# Altium PCB Layout.PcbDoc (part 3 of 4) (continued)
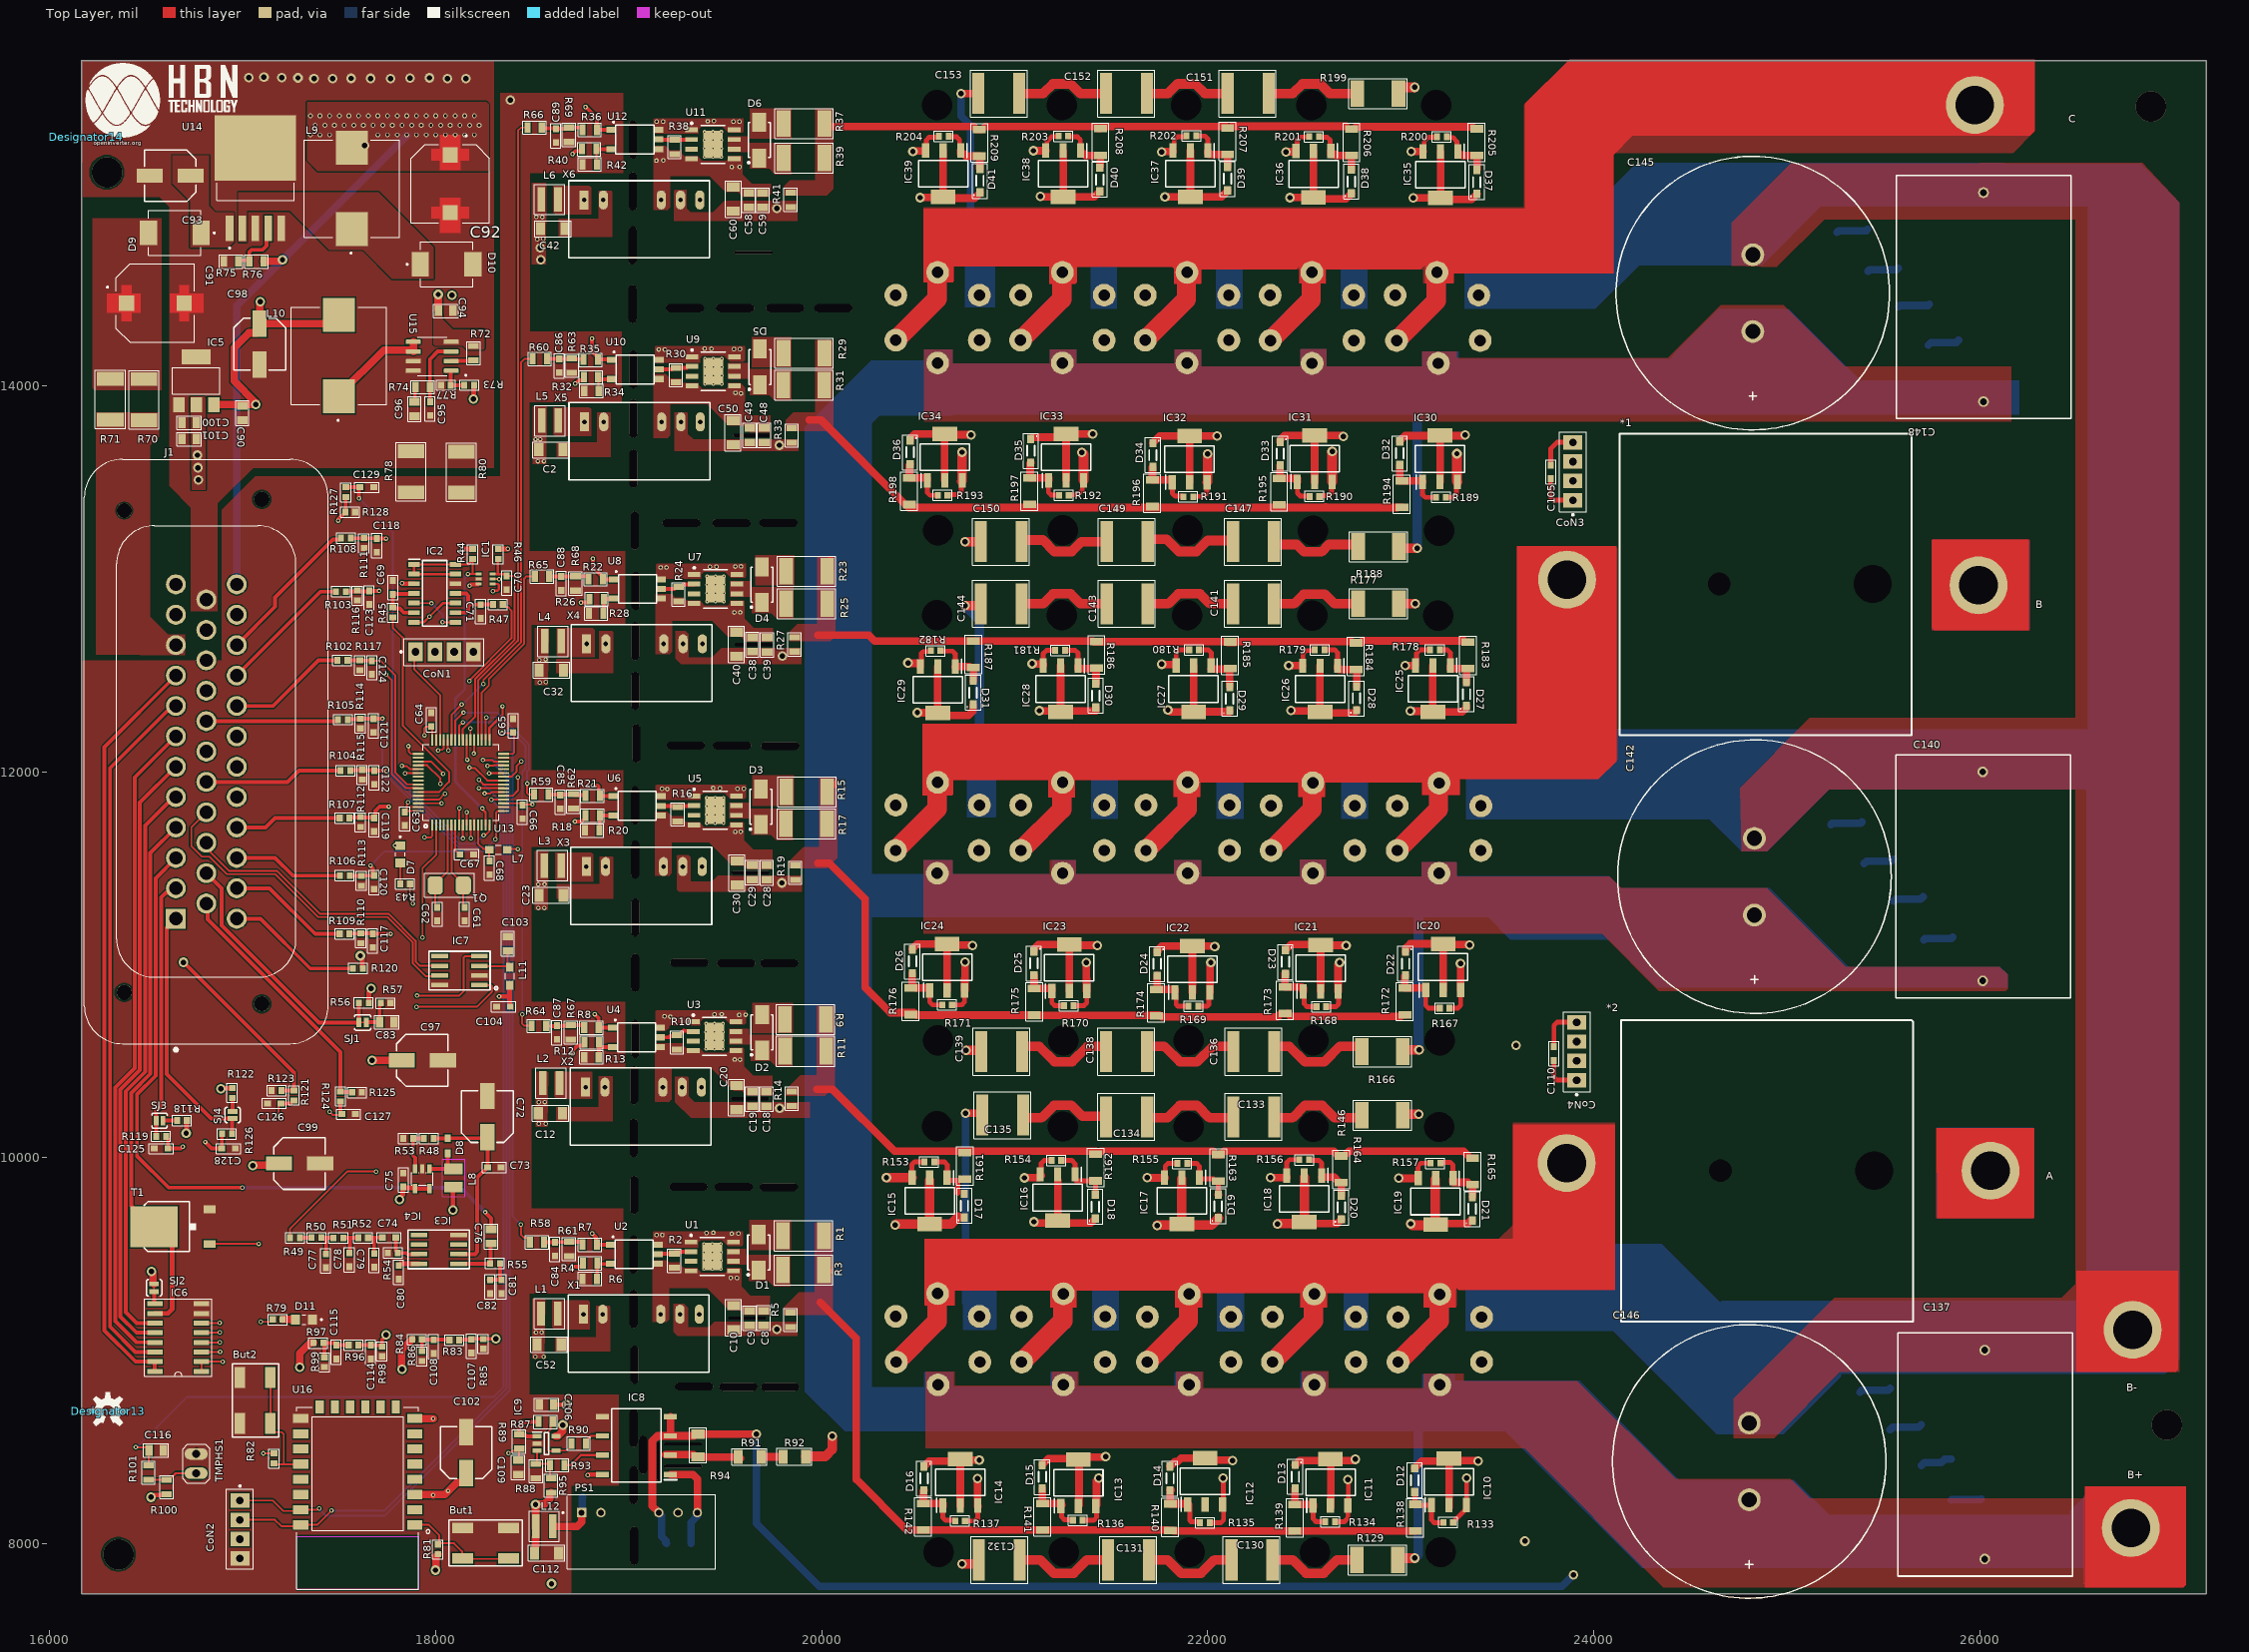
[diagram p0: Top Layer view]
## Nets (pads, with @x,y where several pads share a name; then routed paths per layer and width w, separated by ;. In a path a pad name is that pad's centre, name@x,y a point inside that pad or via, vN(x,y) a via of type N, cw(c..) or ccw(c..) an arc to the next point about the centre after c; other vN are vias at no path point) (continued)
NetD28_a: D28.a IC26.1 R179.1 R184.2 | length 347.5
  Top Layer w25: R179.1@22605.4,12632.51 22657.38,12632.51 22672.03,12617.86 IC26.1@22672.03,12549.57
  Top Layer w39.37: IC26.1@22672.03,12549.57 22672.03,12532.84 22675.61,12529.26 22769.67,12529.26 22771.2,12529.26 D28.a@22771.2,12442.55 22771.2,12441.57 D28.a@22772.18,12440.58
NetD28_k: D28.k IC26.2 IC26.4 Q18.1 | length 1114.5
  Top Layer w39.37: v1(22431.29,12317.28) 22433.32,12315.25 22575.64,12315.25 22581.48,12321.08 IC26.2@22581.48,12549.57 ; IC26.4@22581.48,12309.41 22585.13,12305.76 22758.42,12305.76 22771.2,12318.54 D28.k@22771.2,12319.52
  Mid 1 w39.37: Q18.1@22327.8,11825.06 22327.8,12213.79 v1(22431.29,12317.28)
NetD29_a: D29.a IC27.1 R180.1 R185.2 | length 345
  Top Layer w25: R180.1@21954.57,12631.63 22003.15,12631.63 22017.79,12616.99 22017.79,12533.92 IC27.1@22016.76,12532.89
  Top Layer w39.37: IC27.1@22016.76,12532.89 22017.79,12531.86 R185.2@22113.59,12531.86 ; D29.a@22113.59,12440.44 R185.2@22113.59,12531.86 ; R185.2@22116.12,12531.86 R185.2@22113.59,12531.86
NetD29_k: D29.k IC27.2 IC27.4 Q19.1 | length 1109.3
  Top Layer w39.37: v1(21793.4,12320.92) 21796.28,12320.92 21807.74,12309.46 IC27.4@21926.21,12309.46 ; IC27.2@21926.21,12549.62 IC27.4@21926.21,12309.46 ; D29.k@22113.59,12317.41 22113.59,12311.44 21928.19,12311.44 IC27.4@21926.21,12309.46
  Mid 1 w39.37: Q19.1@21679.75,11827.68 21679.75,12207.27 v1@21791.37,12318.89
NetD30_a: D30.a IC28.1 R181.1 R186.2 | length 325.9
  Top Layer w25: R181.1@21261.07,12629.07 21313.46,12629.07 21328.11,12614.43 IC28.1@21328.11,12549.62
  Top Layer w39.37: IC28.1@21328.11,12549.62 21328.11,12535.43 21329.09,12534.45 21421.05,12534.45 21421.05,12457.78 D30.a@21420.06,12456.79 21420.06,12455.81 D30.a@21421.05,12454.82
NetD30_k: D30.k IC28.2 IC28.4 Q20.1 | length 1083.1
  Top Layer w39.37: v1(21127.65,12316.91) 21129.68,12314.88 21232.14,12314.88 IC28.4@21237.56,12309.46 ; IC28.2@21237.56,12549.62 IC28.4@21237.56,12309.46 ; D30.k@21420.06,12333.76 21420.06,12314.81 21242.9,12314.81 IC28.4@21237.56,12309.46
  Mid 1 w39.37: Q20.1@21031.21,11827.68 21031.21,12220.47 v1@21125.62,12314.88
NetD31_a: D31.a IC29.1 R182.1 R187.2 | length 313.4
  Top Layer w25: R182.1@20615.25,12628.13 20617.22,12626.17 20676.64,12626.17 20691.29,12611.52 IC29.1@20691.29,12546.17
  Top Layer w39.37: IC29.1@20691.29,12546.17 20766.21,12546.17 20771.65,12540.73 R187.2@20785.43,12540.73 20785.43,12474.52 20784.33,12473.42 D31.a@20784.33,12472.44
NetD31_k: D31.k IC29.2 IC29.4 Q21.1 | length 1105.3
  Top Layer w39.37: v1(20495.25,12306.84) 20495.66,12306.43 20600.32,12306.43 20600.73,12306.84 IC29.2@20600.73,12546.17 ; IC29.4@20600.73,12306.01 20615,12291.75 20760.29,12291.75 20783.35,12314.81 20783.35,12348.42 D31.k@20784.33,12349.41
  Mid 1 w39.37: Q21.1@20383.62,11827.68 20383.62,12198.1 20492.37,12306.84 v1(20495.25,12306.84)
NetD32_a: D32.a IC30.1 R189.1 R194.2 | length 347.2
  Top Layer w25: IC30.1@23112.6,13501.59 23112.6,13436.57 23127.25,13421.93 R189.1@23182.76,13421.93
  Top Layer w39.37: D32.a@22993.97,13589.49 22993.97,13507.77 R194.2@23006.45,13507.77 23111.62,13507.77 23112.6,13506.78 IC30.1@23112.6,13501.59
NetD32_k: D32.k IC30.2 IC30.4 Q22.1 | length 1115.4
  Top Layer w39.37: D32.k@22993.97,13712.53 22993.97,13713.51 23022.21,13741.75 IC30.4@23203.15,13741.75 ; IC30.2@23203.15,13501.59 IC30.4@23203.15,13741.75 ; v1(23333.28,13745.13) 23330.41,13745.13 23327.03,13741.75 IC30.4@23203.15,13741.75
  Mid 1 w39.37: v1(23333.28,13745.13) 23411.09,13822.93 Q22.1@23411.09,14234.76
NetD33_a: D33.a IC31.1 R190.1 R195.2 | length 305.6
  Top Layer w25: IC31.1@22463.25,13502.64 22463.97,13501.92 22463.97,13444.23 22478.62,13429.59 22524.59,13429.59 R190.1@22527.11,13427.06
  Top Layer w39.37: R195.2@22370.51,13520.97 R195.2@22373.72,13520.97 ; D33.a@22374.7,13587.1 22373.72,13586.12 R195.2@22373.72,13520.97 ; IC31.1@22463.25,13502.64 22463.25,13519.38 22461.66,13520.97 R195.2@22373.72,13520.97
NetD33_k: D33.k IC31.2 IC31.4 Q23.1 | length 1108
  Top Layer w39.37: D33.k@22374.7,13710.13 22374.7,13719.74 22397.77,13742.8 IC31.4@22553.8,13742.8 ; IC31.2@22553.8,13502.64 IC31.4@22553.8,13742.8 ; v1(22702.23,13738.12) 22699.36,13738.12 22694.67,13742.8 IC31.4@22553.8,13742.8
  Mid 1 w39.37: v1(22702.23,13738.12) 22702.23,13741 22756.86,13795.62 Q23.1@22756.86,14234.76
NetD34_a: D34.a IC32.1 R191.1 R196.2 | length 304
  Top Layer w25: IC32.1@21815.04,13500.56 21816.25,13499.34 21816.25,13442.64 21830.9,13427.99 21869.78,13427.99 R191.1@21873.03,13424.74
  Top Layer w39.37: D34.a@21715.22,13579.79 21715.22,13578.81 21713.14,13576.73 R196.2@21713.14,13512.28 21814.05,13512.28 21815.04,13511.3 IC32.1@21815.04,13500.56
NetD34_k: D34.k IC32.2 IC32.4 Q24.1 | length 1112.2
  Top Layer w39.37: D34.k@21715.22,13702.82 21715.22,13703.81 21728.35,13716.93 21728.35,13717.65 21751.41,13740.72 IC32.4@21905.59,13740.72 ; IC32.2@21905.59,13500.56 IC32.4@21905.59,13740.72 ; v1(22048.33,13739.84) 22047.9,13740.28 21906.02,13740.28 IC32.4@21905.59,13740.72
  Mid 1 w39.37: v1(22048.33,13739.84) 22108.8,13800.31 Q24.1@22108.8,14236.72
NetD35_a: D35.a IC33.1 R192.1 R197.2 | length 309.3
  Top Layer w25: IC33.1@21175.14,13509.68 21174.15,13508.69 21174.15,13449.08 21188.8,13434.44 R192.1@21227.46,13434.44
  Top Layer w39.37: D35.a@21082.81,13602.2 21082.81,13601.21 21079.55,13597.95 21079.55,13523.72 21174.15,13523.72 21175.14,13522.73 IC33.1@21175.14,13509.68
NetD35_k: D35.k IC33.2 IC33.4 Q25.1 | length 1082.7
  Top Layer w39.37: D35.k@21082.81,13725.23 21082.81,13726.21 21090.51,13733.92 21249.77,13733.92 IC33.4@21265.69,13749.84 ; IC33.2@21265.69,13509.68 21265.69,13733.92 IC33.4@21265.69,13749.84 ; v1(21403.21,13750.31) 21402.74,13749.84 IC33.4@21265.69,13749.84
  Mid 1 w39.37: v1(21403.21,13750.31) 21463.07,13810.17 Q25.1@21463.07,14236.72
NetD36_a: D36.a IC34.1 R193.1 R198.2 | length 298
  Top Layer w25: IC34.1@20546.26,13509.68 20546.26,13447.44 20560.9,13432.79 20589.73,13432.79 R193.1@20596,13426.52
  Top Layer w39.37: D36.a@20457.91,13593.38 20457.91,13592.4 20453.75,13588.24 R198.2@20453.75,13522.48 20545.28,13522.48 20546.26,13521.5 IC34.1@20546.26,13509.68
NetD36_k: D36.k IC34.2 IC34.4 Q26.1 | length 1087
  Top Layer w39.37: D36.k@20457.91,13716.41 20457.91,13726.77 20480.97,13749.84 IC34.4@20636.81,13749.84 ; IC34.2@20636.81,13509.68 IC34.4@20636.81,13749.84 ; v1(20772.79,13744.92) 20770.76,13746.95 20639.7,13746.95 IC34.4@20636.81,13749.84
  Mid 1 w39.37: v1(20772.79,13744.92) 20772.79,13747.79 20816.67,13791.68 Q26.1@20816.67,14236.72
NetD37_a: D37.a IC35.1 R200.1 R205.2 | length 310.4
  Top Layer w25: R200.1@23240.16,15295.28 23240.16,15287.35 23241.16,15286.35 23270.15,15286.35 23290.06,15266.44 23290.06,15220.77 IC35.1@23296.26,15214.57
  Top Layer w39.37: IC35.1@23296.26,15214.57 23297.24,15213.58 23297.24,15196.85 23316.77,15196.85 23319.32,15194.3 R205.2@23393.29,15194.3 ; D37.a@23395.21,15120.45 23395.21,15133.37 23396.07,15134.23 R205.2@23396.07,15194.3
NetD37_k: D37.k IC35.2 IC35.4 Q27.1 | length 1129.7
  Top Layer w39.37: v1(23063.76,14974.56) 23063.84,14974.48 23205.64,14974.48 IC35.4@23205.71,14974.41 ; IC35.2@23205.71,15214.57 IC35.4@23205.71,14974.41 ; D37.k@23394.23,14995.45 23394.23,14994.47 23366.17,14966.41 23213.7,14966.41 IC35.4@23205.71,14974.41
  Mid 1 w39.37: Q27.1@22970.6,14470 22970.6,14881.39 v1(23063.76,14974.56)
NetD38_a: D38.a IC36.1 R201.1 R206.2 | length 322.4
  Top Layer w25: R201.1@22576.11,15291.61 22576.11,15290.77 22579.36,15287.52 22619.4,15287.52 22634.04,15272.88 22634.04,15221.88 IC36.1@22638.11,15217.81
  Top Layer w39.37: IC36.1@22638.11,15217.81 22638.11,15201.08 22639.09,15200.09 22655.83,15200.09 22663,15192.91 R206.2@22743.42,15192.91 ; D38.a@22743.42,15119.87 R206.2@22743.42,15192.91 ; R206.2@22744.4,15192.91 R206.2@22743.42,15192.91
NetD38_k: D38.k IC36.2 IC36.4 Q28.1 | length 1125.4
  Top Layer w39.37: v1(22424.97,14975.03) 22426.28,14976.34 22546.25,14976.34 IC36.4@22547.56,14977.65 ; IC36.2@22547.56,15217.81 IC36.4@22547.56,14977.65 ; D38.k@22743.42,14996.84 22743.42,14995.86 22715.37,14967.81 22557.4,14967.81 IC36.4@22547.56,14977.65
  Mid 1 w39.37: Q28.1@22322.82,14470 22322.82,14875.76 22422.09,14975.03 v1(22424.97,14975.03)
NetD39_a: D39.a IC37.1 R202.1 R207.2 | length 311
  Top Layer w25: R202.1@21941.24,15295.96 21943.09,15294.11 21985.5,15294.11 22000.14,15279.47 IC37.1@22000.14,15218.51
  Top Layer w39.37: IC37.1@22000.14,15218.51 22000.14,15201.77 22003.09,15198.82 R207.2@22102.5,15198.82 D39.a@22102.52,15134.86
NetD39_k: D39.k IC37.2 IC37.4 Q29.1 | length 1130.4
  Top Layer w39.37: v1(21777.74,14978.6) 21777.87,14978.47 21909.46,14978.47 IC37.4@21909.59,14978.35 ; IC37.2@21909.59,15218.51 IC37.4@21909.59,14978.35 ; D39.k@22102.54,15011.81 22102.54,15010.83 22070.06,14978.35 IC37.4@21909.59,14978.35
  Mid 1 w39.37: Q29.1@21675.73,14470 21675.73,14876.59 v1(21777.74,14978.6)
NetD40_a: D40.a IC38.1 R203.1 R208.2 | length 315.7
  Top Layer w25: R203.1@21277.2,15294.15 21277.2,15293.64 21280.45,15290.39 21324.69,15290.39 21339.34,15275.75 21339.34,15220.4 IC38.1@21341.23,15218.5
  Top Layer w39.37: IC38.1@21341.23,15218.5 21341.23,15201.77 21342.21,15200.79 21358.95,15200.79 21365.12,15194.61 R208.2@21443.76,15194.61 21443.76,15134.32 21440.85,15131.41 D40.a@21440.85,15130.43
NetD40_k: D40.k IC38.2 IC38.4 Q30.1 | length 1117.7
  Top Layer w39.37: v1(21131.94,14981.09) 21133.31,14979.72 21249.31,14979.72 IC38.4@21250.68,14978.35 ; IC38.2@21250.68,15218.5 IC38.4@21250.68,14978.35 ; D40.k@21440.85,15007.4 21440.85,15006.41 21412.8,14978.36 IC38.4@21250.69,14978.36
  Mid 1 w39.37: Q30.1@21030.2,14470 21030.2,14882.22 21129.07,14981.09 v1(21131.94,14981.09)
NetD41_a: D41.a IC39.1 R204.1 R209.2 | length 312
  Top Layer w25: R204.1@20658.26,15296.56 20658.26,15292.18 20660.53,15289.9 20698.64,15289.9 20713.29,15275.26 20713.29,15224.7 IC39.1@20719.49,15218.5
  Top Layer w39.37: IC39.1@20719.49,15218.5 20719.49,15201.77 20720.47,15200.79 20737.2,15200.79 20748.1,15189.89 R209.2@20816.67,15189.89 20818.28,15189.89 20818.28,15125.49 D41.a@20819.26,15124.51
NetD41_k: D41.k IC39.2 IC39.4 Q31.1 | length 1121.3
  Top Layer w39.37: v1(20510.12,14975.06) 20511.77,14976.7 IC39.4@20627.29,14976.7 ; IC39.2@20628.94,15218.5 IC39.4@20628.94,14978.35 IC39.4@20627.29,14976.7 ; D41.k@20819.26,15001.48 20819.26,15000.49 20791.21,14972.44 20631.55,14972.44 IC39.4@20627.29,14976.7
  Mid 1 w39.37: Q31.1@20383.6,14470 20383.6,14848.54 v1@20508.09,14973.02
NetIC4_3: IC4.3 R48.1 R53.1 | length 208.3
  Top Layer w20: R53.1@17882.27,10100.52 17882.27,10011.35 17892.86,10000.76 IC4.3@17892.86,9943.17 ; R53.1@17892.86,10098.06 17895.42,10100.62 R48.1@17938.33,10100.62
NetIC6_9: IC6.9 SJ2.1 | length 65
  Top Layer w20: SJ2.1@16540.35,9306.66 16540.35,9246.9 16543.35,9243.9 IC6.9@16544.35,9243.9
NetIC8_2: IC8.2 R91.1 R94.2 | length 379.8
  Top Layer w39.37: IC8.2@19191.54,8461.67 IC8.2@19215.55,8461.67 ; IC8.2@19229.33,8461.67 19335.97,8461.67 19343.41,8454.22 19355.22,8454.22 R94.2@19359.16,8450.29 19558.34,8450.29 19565.62,8443.01 R91.1@19577.43,8443.01
NetIC8_6: IC8.6 R90.2 | length 109
  Top Layer w12: R90.2@18777.33,8520.17 18777.33,8531.98 18804.69,8559.34 IC8.6@18863.19,8559.34
NetIC8_7: IC8.7 R93.2 | length 217.9
  Top Layer w12: R93.2@18666.52,8408.1 18700.31,8408.1 18751.56,8459.34 IC8.7@18863.19,8459.34
NetIC9_1: IC9.1 R87.2 R89.1 | length 245.6
  Top Layer w20: IC9.1@18524.79,8557.57 18471.17,8557.57 18466.09,8562.65 18438.03,8562.65 R89.1@18432.28,8568.4 18432.28,8607.64 18456.89,8632.25 R87.2@18531.5,8632.25
NetIC9_3: IC9.3 R88.1 R93.1 R95.2 | length 225.1
  Top Layer w12: IC9.3@18524.79,8482.77 18524.79,8420.45 R88.1@18518.88,8414.54 18585.27,8414.54 R93.1@18591.72,8408.1 18591.72,8345.01 R95.2@18597.55,8339.18 R95.2@18592.68,8339.18 ; R93.1@18584.8,8401.85 R93.1@18586.75,8403.8
NetIC9_4: IC9.4 R87.1 R90.1 | length 306.4
  Top Layer w8: R87.1@18606.3,8632.25 18594.55,8620.5 18594.55,8591.9 18579.91,8577.26 18579.91,8484.87 18584.59,8480.18 18620.63,8480.18 IC9.4@18623.21,8482.77 18676.94,8482.77 18702.53,8508.36 R90.1@18702.53,8520.17
NetJ1_14: J1.14 R56.1 SJ1.2 | length 1324.2
  Top Layer w20: J1.14@16811.02,11475.39 16890.51,11395.91 16890.51,11204.61 17393.91,10701.21 SJ1.2@17600.99,10701.21 R56.1@17600.99,10802.68
NetL10_1: L10.1 U15.5 U15.6 | length 520.1
  Top Layer w39.37: L10.1@17497.95,13945.84 17497.95,13951.75 17732.31,14186.11 U15.6@17865.06,14186.11 ; U15.6@17883.76,14178.04 17883.76,14186.11 U15.5@17883.76,14228.04
NetR2_2: R2.2 U1.2 U2.4 | length 175.8
  Top Layer w20: U2.4@19152.56,9500.55 19154.65,9502.64 19233.35,9502.64 R2.2@19235.44,9504.72 19241.19,9510.47 19269.49,9510.47 19272.99,9513.98 U1.2@19322.83,9513.98
NetR4_1: pad.6@18706.12,9436.16 pad.6@18823.57,10744.03 R4.1 R8.2 U4.1 | length 1602.7
  Top Layer w20: pad.6@18706.12,9436.16 18730.06,9436.15 18756.82,9436.15 18762.57,9441.9 R4.1@18762.57,9452.45 ; pad.6@18823.57,10744.03 18843.89,10723.71 R8.2@18843.89,10674.37 ; R8.2@18852.74,10674.16 U4.1@18915.74,10674.16
  Mid 1 w20: pad.6@18706.12,9436.16 18662.98,9479.3 18662.98,10583.44 pad.6@18823.57,10744.03
NetR4_2: R4.2 R6.2 U2.2 | length 148.3
  Top Layer w20: R6.2@18835.7,9373.5 18836.53,9374.33 18836.53,9448.47 18834.45,9450.55 U2.2@18904.53,9450.55
NetR7_2: pad.6@18708.55,10540.58 pad.6@18811.02,9608.62 R7.2 R12.1 U2.1 | length 1226.1
  Top Layer w20: pad.6@18708.55,10540.58 18708.55,10555.8 18733.96,10581.21 18764.39,10581.21 18770.13,10586.96 R12.1@18770.13,10598.77 ; pad.6@18811.02,9608.62 18811.02,9607.64 18829.95,9588.7 18829.95,9556.3 R7.2@18835.7,9550.55 U2.1@18904.53,9550.55
  Mid 1 w20: pad.6@18708.55,10540.58 18692.8,10524.82 18692.8,9726.84 pad.6@18811.02,9608.62
NetR10_2: R10.2 U3.2 U4.4 | length 186.2
  Top Layer w20: U4.4@19163.77,10624.16 19208.91,10624.16 19215.64,10630.9 19244.82,10630.9 R10.2@19250.09,10636.17 19261.9,10636.17 19284.54,10658.81 19285.64,10657.71 19331.25,10657.71 U3.2@19334.04,10654.91
NetR12_2: R12.2 R13.2 U4.2 | length 148.7
  Top Layer w20: R13.2@18843.89,10521.64 R13.2@18843.89,10533.98 ; R13.2@18844.41,10533.98 R12.2@18844.41,10574.16 ; R12.2@18844.94,10598.77 18844.41,10598.25 R12.2@18844.41,10574.16 ; U4.2@18915.74,10574.16 R12.2@18844.41,10574.16
NetR16_2: R16.2 U5.2 U6.4 | length 175.8
  Top Layer w20: U6.4@19167.21,11823.68 19235.67,11823.68 19241.72,11817.63 R16.2@19253.53,11817.63 19259.28,11823.38 19300.39,11823.38 19301.06,11824.06 19336.62,11824.06 U5.2@19337.48,11824.91
NetR18_1: pad.6@18720.8,11742.74 pad.6@18814.1,13104.79 R18.1 R22.2 U8.1 | length 1687
  Top Layer w20: pad.6@18720.8,11742.74 18721.49,11743.43 18756.21,11743.43 18773.96,11761.18 R18.1@18773.96,11772.99 ; pad.6@18814.1,13104.79 18814.1,13061.01 18870.49,13004.63 18870.49,12997.84 U8.1@18920.69,12997.84
  Mid 1 w20: pad.6@18720.8,11742.74 18680.8,11782.74 18682.32,11784.26 18682.32,12973 pad.6@18814.1,13104.79
NetR18_2: R18.2 R20.2 U6.2 | length 147
  Top Layer w20: R20.2@18848.38,11696.85 18848.92,11697.39 18848.92,11773.15 R18.2@18849.45,11773.68 U6.2@18919.17,11773.68
NetR21_2: pad.6@18752.41,12877.18 pad.6@18814.34,11930.11 R21.2 R26.1 U6.1 | length 1227.3
  Top Layer w20: pad.6@18752.41,12877.18 18753.1,12877.87 18790.13,12877.87 18795.87,12883.62 R26.1@18795.87,12895.25 R26.1@18795.08,12896.04 ; pad.6@18814.34,11930.11 18815.04,11929.41 18837.74,11929.41 18843.71,11923.45 18843.71,11881.67 R21.2@18849.46,11875.92 ; R21.2@18850.58,11886.62 18850.58,11874.8 18918.05,11874.8 U6.1@18919.17,11873.68
  Mid 1 w20: pad.6@18752.41,12877.18 18712.8,12837.56 18712.8,12031.65 pad.6@18814.34,11930.11
NetR24_2: R24.2 U7.2 U8.4 | length 180.6
  Top Layer w20: U8.4@19168.72,12947.84 19236.96,12947.84 19246.38,12957.26 R24.2@19258.19,12957.26 19270,12957.26 19284.41,12971.67 19337.83,12971.67 U7.2@19339,12972.84
NetR26_2: R26.2 R28.2 U8.2 | length 112.7
  Top Layer w20: R28.2@18870.68,12826.07 R26.2@18870.68,12895.25 ; R26.2@18879.35,12892.66 18881.94,12895.25 18918.11,12895.25 U8.2@18920.69,12897.84
NetR30_2: R30.2 U9.2 U10.4 | length 176.5
  Top Layer w20: U10.4@19157.62,14085.3 19225.13,14085.3 19232.86,14093.02 R30.2@19244.67,14093.02 19300.93,14093.02 19308.21,14100.3 U9.2@19327.9,14100.3
NetR32_1: pad.6@18722.87,14011.83 pad.6@18775.95,15445 R32.1 R36.2 U12.1 | length 1780.4
  Top Layer w20: pad.6@18722.87,14011.83 18723.85,14011.83 18740.4,14028.39 18761.13,14028.39 18766.67,14033.93 R32.1@18766.67,14046.15 ; pad.6@18775.95,15446.67 18775.95,15445.98 18778.74,15443.19 18779.44,15443.19 18834.64,15387.98 R36.2@18834.64,15326.73 ; R36.2@18838.77,15334.87 18846.18,15327.46 18906.73,15327.46 U12.1@18907.46,15326.73
  Mid 1 w20: pad.6@18722.87,14011.83 18670.57,14064.14 18670.57,15339.62 pad.6@18775.95,15445
NetR32_2: R32.2 R34.2 U10.2 | length 135.5
  Top Layer w10: R32.2@18841.68,14045.94 18841.68,13976.21 R34.2@18843.96,13973.93
  Top Layer w20: R32.2@18847.59,14033.97 18848.26,14034.63 18908.92,14034.63 U10.2@18909.59,14035.3
NetR35_2: pad.6@18708.38,15201.4 pad.6@18809.4,14244.82 R35.2 R40.1 U10.1 | length 1249.1
  Top Layer w20: pad.6@18708.38,15201.4 18723.95,15216.97 18752.23,15216.97 18757.98,15222.71 R40.1@18757.98,15226.73 ; pad.6@18809.4,14244.82 18809.4,14178.11 18840.4,14147.11 R35.2@18840.4,14135.3 ; R35.2@18837.82,14138.29 R35.2@18839.31,14136.8 ; R35.2@18846.5,14136.8 18908.09,14136.8 U10.1@18909.59,14135.3
  Mid 1 w20: pad.6@18708.38,15201.4 18708.38,14345.85 pad.6@18809.4,14244.82
NetR38_2: R38.2 U11.2 U12.4 | length 171.9
  Top Layer w20: U12.4@19155.49,15276.73 19156.57,15275.65 19235.65,15275.65 R38.2@19236.73,15274.57 19237.62,15275.45 19324.88,15275.45 U11.2@19325.77,15276.34
NetR40_2: R40.2 R42.2 U12.2 | length 141.7
  Top Layer w10: R40.2@18832.78,15226.73 18832.78,15149.63 R42.2@18834.64,15147.77
  Top Layer w20: R40.2@18845.46,15226.73 U12.2@18907.46,15226.73
NetR49_1: R49.1 R50.2 | length 60.7
  Top Layer w20: R49.1@17296.19,9586.5 17296.6,9586.91 17356.12,9586.91 R50.2@17356.53,9587.32
NetR72_1: R72.1 U15.2 | length 118.6
  Top Layer w20: U15.2@18079.04,14128.04 18080.65,14129.65 18192.74,14129.65 R72.1@18195.7,14132.61
NetR73_1: R73.1 R77.2 U15.1 | length 171.9
  Top Layer w20: U15.1@18052.26,14078.04 U15.1@18079.04,14078.04 18077.85,14076.86 R77.2@18077.85,14003.72 R73.1@18148.13,14003.72
NetR75_2: R75.2 R76.1 U14.4 | length 299.5
  Top Layer w20: R75.2@16978.57,14650.73 R76.1@17032.86,14650.73 ; R76.1@17033.9,14644.7 17033.9,14693.4 17045.61,14705.12 17102.35,14705.12 17122.59,14725.35 17122.59,14806.26 U14.4@17132.27,14815.94
NetR91_2: R91.2 R92.1 | length 114.6
  Top Layer w39.37: R91.2@19685,8450.29 19685.49,8450.78 19798.66,8450.78 R92.1@19799.16,8451.27
NetR100_2: R100.2 R101.1 TMPHS1.1 | length 301.8
  Top Layer w12: R101.1@16511.47,8332.42 16512.17,8331.73 16604.56,8331.73 R100.2@16605.26,8331.03 16617.07,8331.03 16651.78,8365.74 TMPHS1.1@16758.78,8365.74 ; TMPHS1.1@16752.08,8357.35 16774.26,8379.52 TMPHS1.1@16782.4,8379.52
NetR118_1: R118.1 SJ3.2 | length 73
  Top Layer w20: SJ3.2@16586.56,10192.95 R118.1@16659.58,10192.95
NetR122_1: R122.1 SJ4.2 | length 72.1
  Top Layer w20: R122.1@16945.87,10311.02 16946.47,10310.42 16946.47,10240.05 SJ4.2@16947.07,10239.45
NetR130_2: R130.2 R143.1 | length 156.1
  Bottom Layer w39.37: R143.1@25852.82,8227.36 25855.29,8229.82 26004.43,8229.82 R130.2@26006.89,8232.28
NetR131_2: R131.2 R144.1 | length 155.3
  Bottom Layer w39.37: R144.1@25709.65,11129.92 25716.54,11136.81 25852.36,11136.81 R131.2@25859.25,11143.7
NetR132_2: R132.2 R145.1 | length 167.5
  Bottom Layer w39.37: R145.1@25733.27,14210.63 25746.56,14223.92 25876.48,14223.92 R132.2@25889.76,14237.2
NetR143_2: R143.2 R147.1 | length 171.2
  Bottom Layer w39.37: R147.1@25695.87,8405.51 25711.61,8421.26 25800.66,8421.26 25819.36,8439.96 R143.2@25852.82,8439.96
NetR144_2: R144.2 R148.1 | length 161.5
  Bottom Layer w39.37: R148.1@25553.15,11330.71 25563.98,11341.54 25694.88,11341.54 R144.2@25705.71,11352.36
NetR145_2: R145.2 R149.1 | length 162.8
  Bottom Layer w39.37: R149.1@25580.71,14410.43 25587.11,14416.83 25731.79,14416.83 R145.2@25738.19,14423.23
NetR147_2: R147.2 R150.1 | length 171
  Bottom Layer w39.37: R150.1@25535.43,8592.52 25548.23,8605.32 25683.07,8605.32 R147.2@25695.87,8618.11
NetR148_2: R148.2 R151.1 | length 160.5
  Bottom Layer w39.37: R151.1@25400.59,11525.59 25411.42,11536.42 25541.34,11536.42 R148.2@25552.17,11547.24
NetR149_2: R149.2 R152.1 | length 161.6
  Bottom Layer w39.37: R152.1@25421.26,14594.49 25428.64,14601.87 25569.39,14601.87 R149.2@25576.77,14609.25
NetR150_2: R150.2 R158.1 | length 165.2
  Bottom Layer w39.37: R158.1@25377.95,8786.42 25387.3,8795.77 25526.08,8795.77 R150.2@25535.43,8805.12
NetR151_2: R151.2 R159.1 | length 166.7
  Bottom Layer w39.37: R159.1@25228.35,11727.36 25234.74,11733.76 25383.37,11733.76 R151.2@25389.76,11740.16
NetR152_2: R152.2 R160.1 | length 164.2
  Bottom Layer w39.37: R160.1@25259.84,14796.26 25266.73,14803.15 25411.42,14803.15 R152.2@25418.31,14810.04
OUT_BRAKE: IC6.11 J1.5 | length 2956.6
  Top Layer w20: IC6.11@16544.35,9143.9 16450.27,9143.9 16394.21,9199.96 16394.21,10345.05 16495.02,10445.86 16495.02,11722.04 16642.07,11869.09 J1.5@16653.54,11869.09
OUT_DCSW: IC6.10 J1.4 T1.4 | length 2787.8
  Top Layer w20: T1.4@16540.35,9643.7 16524.6,9643.7 16428.3,9740 16428.3,9745.64 16422.23,9751.72 16422.23,10336.32 16521.28,10435.37 16521.28,11579.35 J1.4@16653.54,11711.61
  Top Layer w25: T1.4@16540.35,9643.7 16633.86,9550.19 16633.86,9214.57 16613.19,9193.9 IC6.10@16544.35,9193.9
OUT_ERR: IC6.12 J1.6 | length 3181.2
  Top Layer w20: IC6.12@16544.35,9093.9 16449.33,9093.9 16366.19,9177.04 16366.19,10353.78 16467.17,10454.75 16467.17,11840.2 J1.6@16653.54,12026.57
OUT_OVTMP: IC6.13 J1.7 | length 3409.7
  Top Layer w20: IC6.13@16544.35,9043.9 16450.14,9043.9 16340.2,9153.83 16340.2,10364.54 16441.18,10465.52 16441.18,11971.69 J1.7@16653.54,12184.06
OUT_PRE: IC6.15 IC6.16 J1.9 | length 3925.8
  Top Layer w20: IC6.16@16544.35,8893.9 IC6.15@16544.35,8943.9 16444.1,8943.9 16282.75,9105.25 16282.75,12128.22 J1.9@16653.54,12499.02
OUT_TEMP: IC6.14 J1.8 | length 3655.1
  Top Layer w20: IC6.14@16544.35,8993.9 16443.76,8993.9 16312.18,9125.47 16312.18,12018.85 16634.87,12341.54 J1.8@16653.54,12341.54
PA1/TIM2_CH2: IC1.1 IC2.1 IC2.2 IC2.13 IC2.14 R44.1 U13.15 | length 2095.8
  Top Layer w12: IC2.13@18101.22,13024.85 IC2.2@17887.68,13024.85 IC2.1@17887.68,13074.85 IC2.14@18101.22,13074.85 18167.47,13074.85 18188.87,13096.26 18190.84,13096.26 18190.84,13026.53 18189.41,13025.1 v2(18166.96,13025.1) ; 18189.41,13025.17 IC1.1@18221.93,13025.17 ; v5(18240.83,11810.47) 18240.83,11807.33 18258.38,11789.77 U13.15@18258.38,11723.94
  Bottom Layer w12: v2(18166.96,13025.1) 18149.45,13007.59 18149.45,12426.45 18101.22,12378.23 18101.22,11950.08 v5(18240.83,11810.47)
PA2/ADC2: C122.2 R104.2 R115.2 U13.16 | length 939.8
  Top Layer w10: v2(18247.93,11671.24) 18250.53,11673.85 18258.33,11673.85 18277.88,11693.4 18277.88,11723.44 U13.16@18278.38,11723.94
  Top Layer w20: R104.2@17557.41,12006.21 17559.38,12008.18 17616.79,12008.18 R115.2@17618.76,12010.15 17620.73,12008.18 17679.8,12008.18 C122.2@17681.77,12006.21 17741.13,12006.21 17743.74,12003.6 v2(17744.72,12003.6)
  Bottom Layer w10: v2(17744.72,12003.6) 18122.26,11626.06 18202.74,11626.06 v2(18247.93,11671.24)
PA3/ADC3: C121.2 IC1.3 R105.2 R114.2 U13.17 | length 2840.3
  Top Layer w10: v2(18309.09,11650.23) 18309.09,11653.92 18313.7,11658.53 18313.7,11790.58 18319.56,11796.44 18350.88,11796.44 U13.17@18351.38,11796.94
  Top Layer w20: R105.2@17544.6,12271.11 17547.06,12273.57 17606.28,12273.57 R114.2@17608.74,12276.03 17609.24,12275.54 17677.15,12275.54 C121.2@17677.64,12275.05 17678.03,12275.43 17723.16,12275.43 v2(17723.54,12275.82) ; v2(18175.39,12964.2) 18176.37,12964.2 18184.03,12971.87 18219.81,12971.87 IC1.3@18221.93,12973.99
  Mid 2 w10: v2(18175.39,12964.2) 18175.39,12961.55 18313.14,12823.81 18313.14,11662.9 18311.7,11661.47 18311.7,11652.84 v2(18309.09,11650.23)
  Bottom Layer w10: v2@17722.32,12276.03 17721.93,12275.64 17721.93,11981.81 17741.81,11961.92 17763.63,11961.92 18116.2,11609.35 18268.21,11609.35 v2(18309.09,11650.23)
PA4/ADC4: C120.2 R106.2 R113.2 U13.20 | length 1210.7
  Top Layer w10: v5(18288.3,11854.77) 18289.47,11855.94 U13.20@18351.38,11855.94
  Top Layer w20: R106.2@17554.57,11462.24 17555.06,11461.74 17614.77,11461.74 R113.2@17615.26,11461.25 17616.04,11462.03 17679.77,11462.03 C120.2@17680.56,11462.82 17674.81,11468.57 17674.81,11500.81 17661.89,11513.72 v2(17661.89,11514.7)
  Bottom Layer w10: v2(17661.89,11514.7) 17735.55,11588.36 18285.9,11588.36 18334.9,11637.37 18334.9,11808.17 v5(18288.3,11854.77)
PA5/ADC5: C107.2 IC2.5 IC2.8 R83.1 R85.2 U13.21 | length 4997.9
  Top Layer w10: IC2.5@17887.68,12874.85 17888.59,12873.94 17976.47,12873.94 v2(17977.38,12873.03) ; v2(18035.61,12776.16) 18036.27,12775.51 18100.57,12775.51 IC2.8@18101.22,12774.85 ; U13.21@18351.38,11875.94 18398.59,11875.94 18425.69,11903.04 v2(18425.69,11971.41)
  Top Layer w20: R83.1@18119.94,9058.16 18120.78,9059 18183.65,9059 C107.2@18184.49,9059.85 ; C107.2@18184.49,9062.01 v1(18310.98,9062.01)
  Mid 1 w10: v2(18035.61,12776.16) 18146.38,12776.16 18420.35,12502.19 18420.35,12045.53 18425.69,12040.19 v2(18425.69,11971.41)
  Mid 2 w20: v1(18310.98,9062.01) 18117.35,9062.01 17981.34,9198.02 17981.34,10620.5 18284.3,10923.46 18284.3,11455.45 18384.6,11555.75 18384.6,11930.32 v2(18425.69,11971.41)
  Bottom Layer w10: v2(17977.38,12873.03) 18035.61,12814.8 v2(18035.61,12776.16)
PA6/TIM3_CH1: C128.2 R126.2 U13.22 | length 2739.9
  Top Layer w10: v5(18253.29,11887.96) 18282.16,11887.96 18290.14,11895.94 U13.22@18351.38,11895.94
  Top Layer w20: v2(16805.38,10082) 16839.27,10048.11 C128.2@16890.74,10048.11 16891.73,10049.1 16891.73,10124.09 R126.2@16892.72,10125.08
  Mid 2 w10: v2(16805.38,10082) 16805.38,10352.25 17159.07,10705.94 ; 17159.07,10705.99 18065.09,11612.01 18065.09,11791.65 18163.55,11890.11 18251.14,11890.11 v5(18253.29,11887.96)
PA7/TIM3_CH2: C125.2 R119.2 U13.23 | length 2804.8
  Top Layer w10: v5(18223.07,11915.56) 18223.38,11915.25 18351.07,11915.25 U13.23@18351.38,11914.94
  Top Layer w20: R119.2@16602.91,10111.16 R119.2@16602.3,10111.76 16602.3,10109.8 16612.14,10099.95 C125.2@16612.14,10048.11 16678.68,10048.11 16688.17,10057.6 v2(16689.15,10057.6)
  Mid 2 w10: v2(16689.15,10057.6) 16731.31,10099.77 16731.6,10099.77 16783.91,10152.07 16783.91,10353.43 18049.1,11618.63 18049.1,11798.27 18166.4,11915.56 v5(18223.07,11915.56)
PA8/TIM1_CH1: R58.1 U13.41 | length 3050.9
  Top Layer w10: U13.41@18120.38,12165.94 18120.38,12236.79 v2(18140.37,12256.78) ; v2(18441.12,9654.32) 18441.12,9602.59 18458.66,9585.06 18476.26,9585.06 18487.01,9574.31 R58.1@18487.01,9562.8
  Bottom Layer w10: v2(18140.37,12256.78) 18317.69,12256.78 18398.84,12175.64 18398.84,9696.61 v2(18441.12,9654.32)
PA8/TIM1_CH1-Filtered: C84.2 R7.1 R58.2 R61.2 | length 210.7
  Top Layer w20: R58.2@18561.81,9562.8 C84.2@18617.36,9562.8 18618.34,9563.78 18689.64,9563.78 R61.2@18690.62,9564.76 18755.15,9564.76 18760.9,9559.02 R7.1@18760.9,9550.55
PA9/TIM1_CH2: R59.1 U13.42 | length 858.8
  Top Layer w10: U13.42@18100.38,12165.94 18100.38,12263.05 v2(18144.11,12306.78) ; v2(18473.74,11939.28) 18473.74,11889.88 18480.56,11883.06 R59.1@18509.54,11883.06
  Bottom Layer w10: v2(18144.11,12306.78) 18316.52,12306.78 18481.93,12141.37 18481.93,12011.1 18473.74,12002.9 v2(18473.74,11939.28)
PA9/TIM1_CH2-Filtered: C85.2 R21.1 R59.2 R62.2 | length 196.7
  Top Layer w20: R59.2@18584.34,11883.06 18585.99,11881.41 18643.28,11881.41 C85.2@18644.93,11879.75 18647.03,11881.85 18711.65,11881.85 R62.2@18713.75,11883.95 18717.76,11879.94 18770.64,11879.94 R21.1@18774.65,11875.92
PA10/TIM1_CH3: R60.1 U13.43 | length 2176.3
  Top Layer w10: U13.43@18081.38,12165.94 18081.38,12295.95 v2(18134.18,12348.75) ; v2(18246.69,12455.46) 18246.69,12476.85 18442.17,12672.32 18442.17,14122.5 18459.43,14139.77 R60.1@18501.92,14139.77
  Bottom Layer w10: v2(18134.18,12348.75) 18137.08,12348.75 18243.79,12455.46 v2(18246.69,12455.46)
PA10/TIM1_CH3-Filtered: C86.2 R35.1 R60.2 R63.2 | length 193.3
  Top Layer w20: R60.2@18576.73,14139.77 18576.97,14139.52 18639.7,14139.52 C86.2@18639.95,14139.28 18641.5,14140.83 18703.46,14140.83 R63.2@18705.02,14142.39 18708.56,14138.84 18762.06,14138.84 R35.1@18765.6,14135.3